# Altium PCB PCB2.PcbDoc (part 1 of 3)
Units mil, origin at the board's own origin, x right, y up, seen from the top; angles counter-clockwise.
Board outline 8661.42 x 5433.07 mil, 2 copper layers (Top Layer, Bottom Layer); 304 components, 0 nets, 1026 pads, 1089 vias.
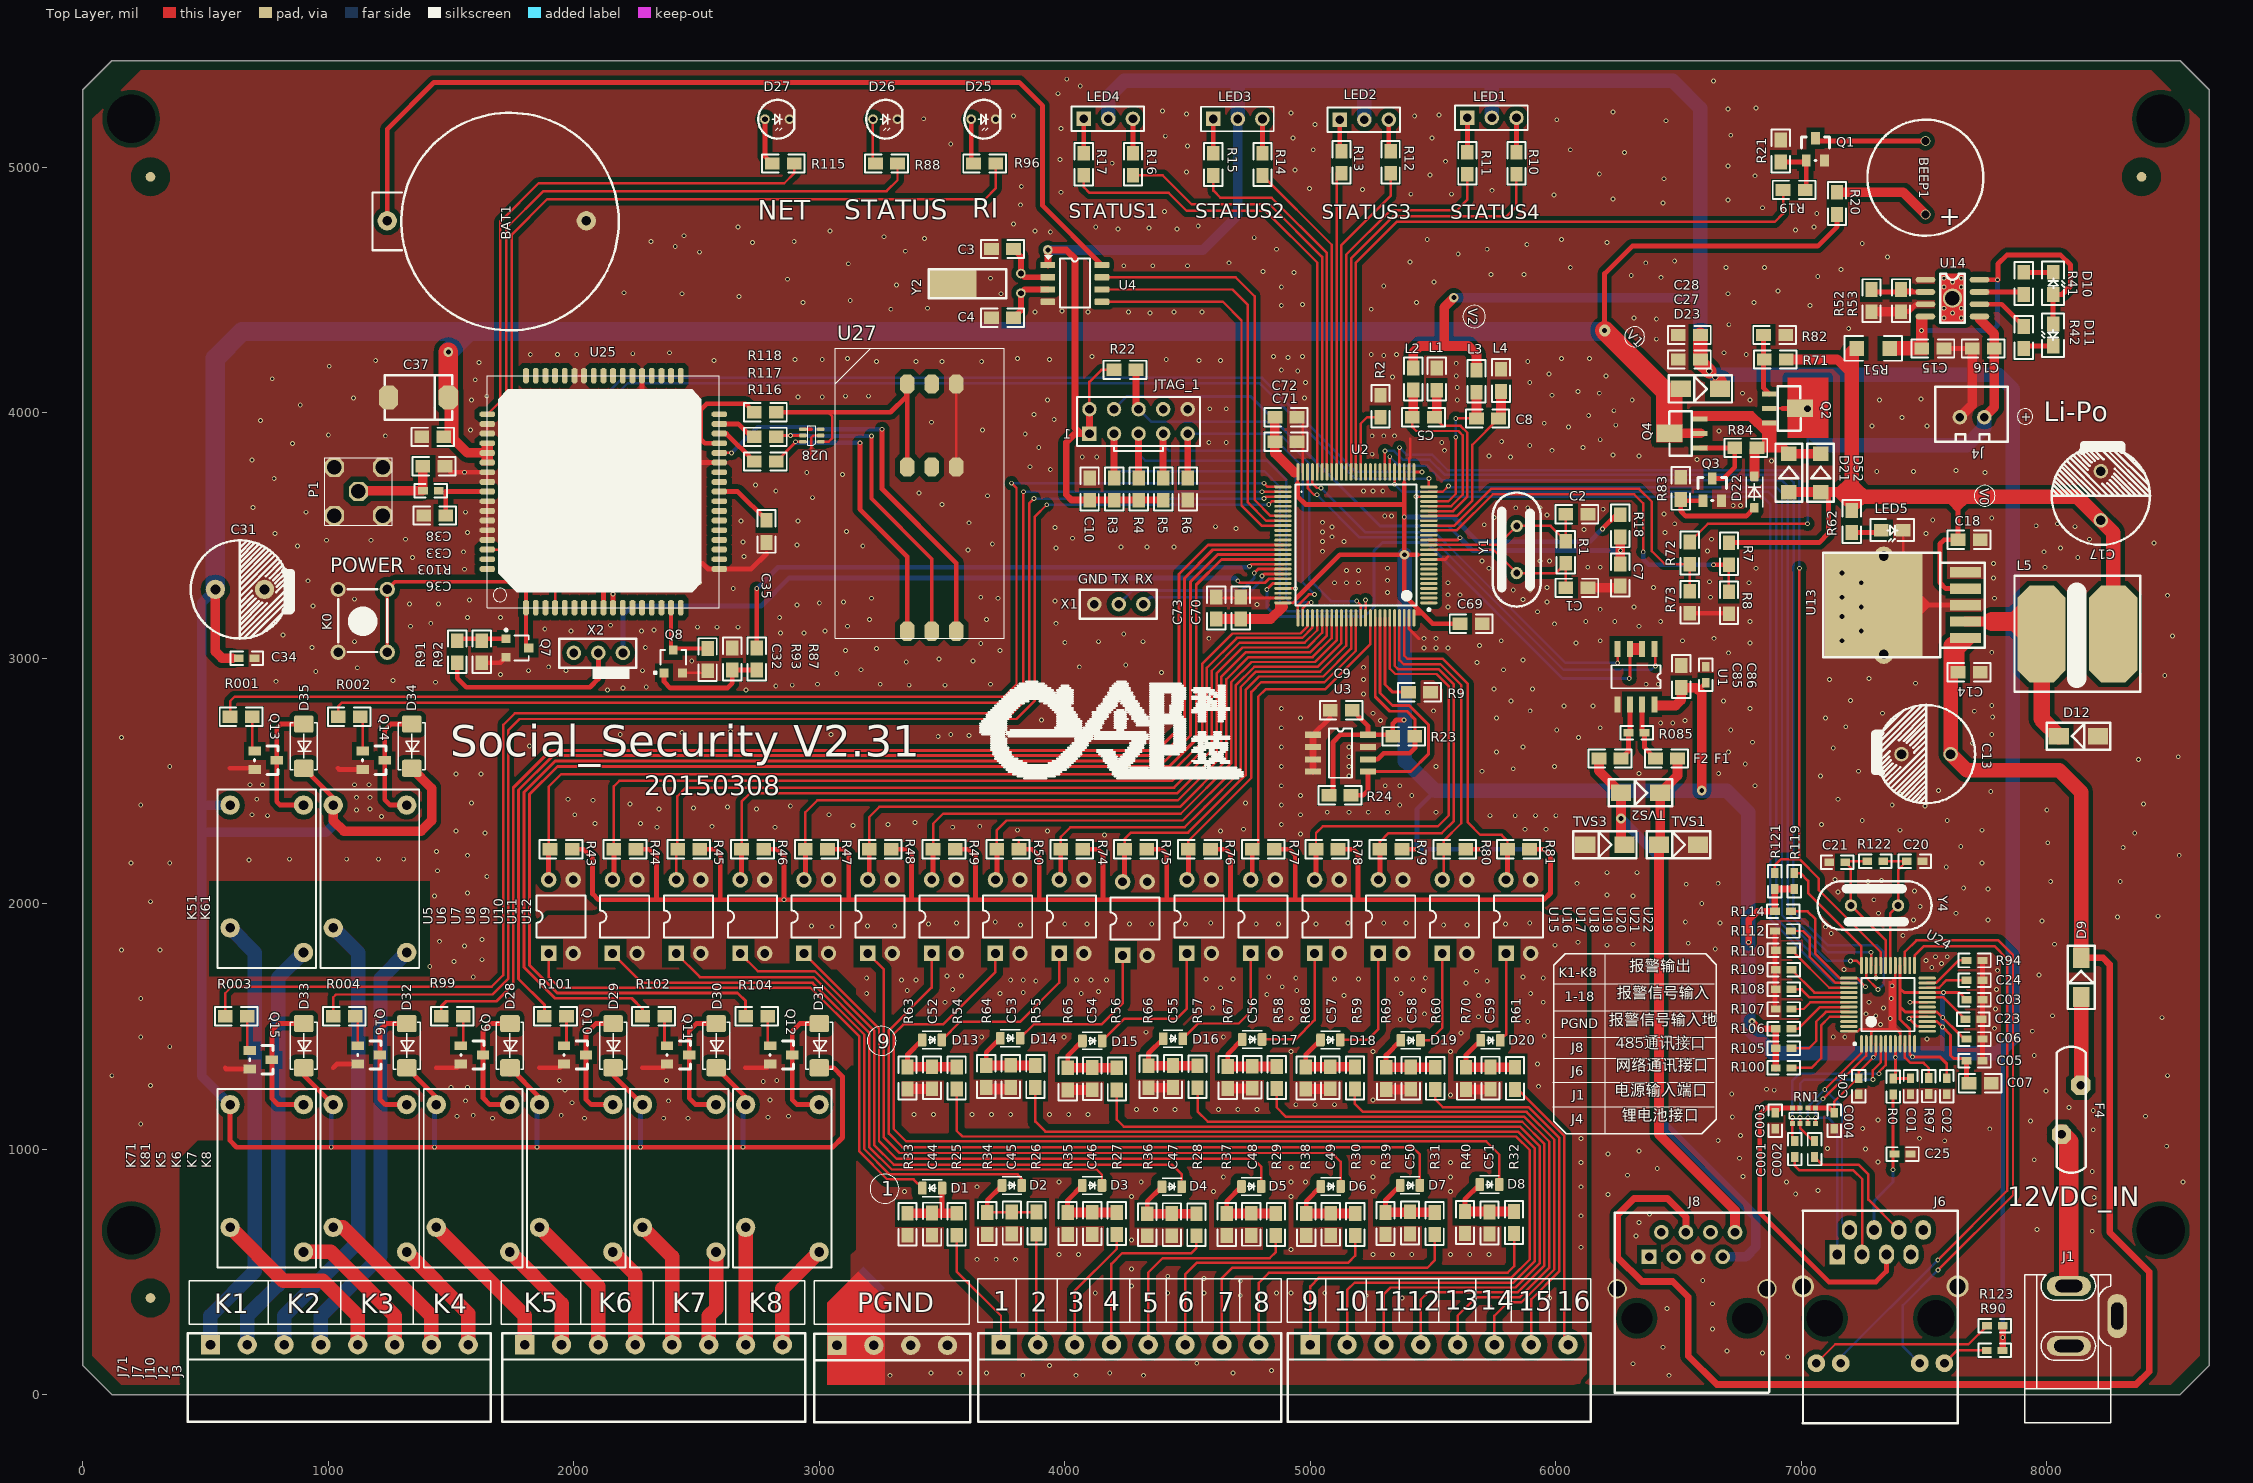
[diagram p0: Top Layer view]
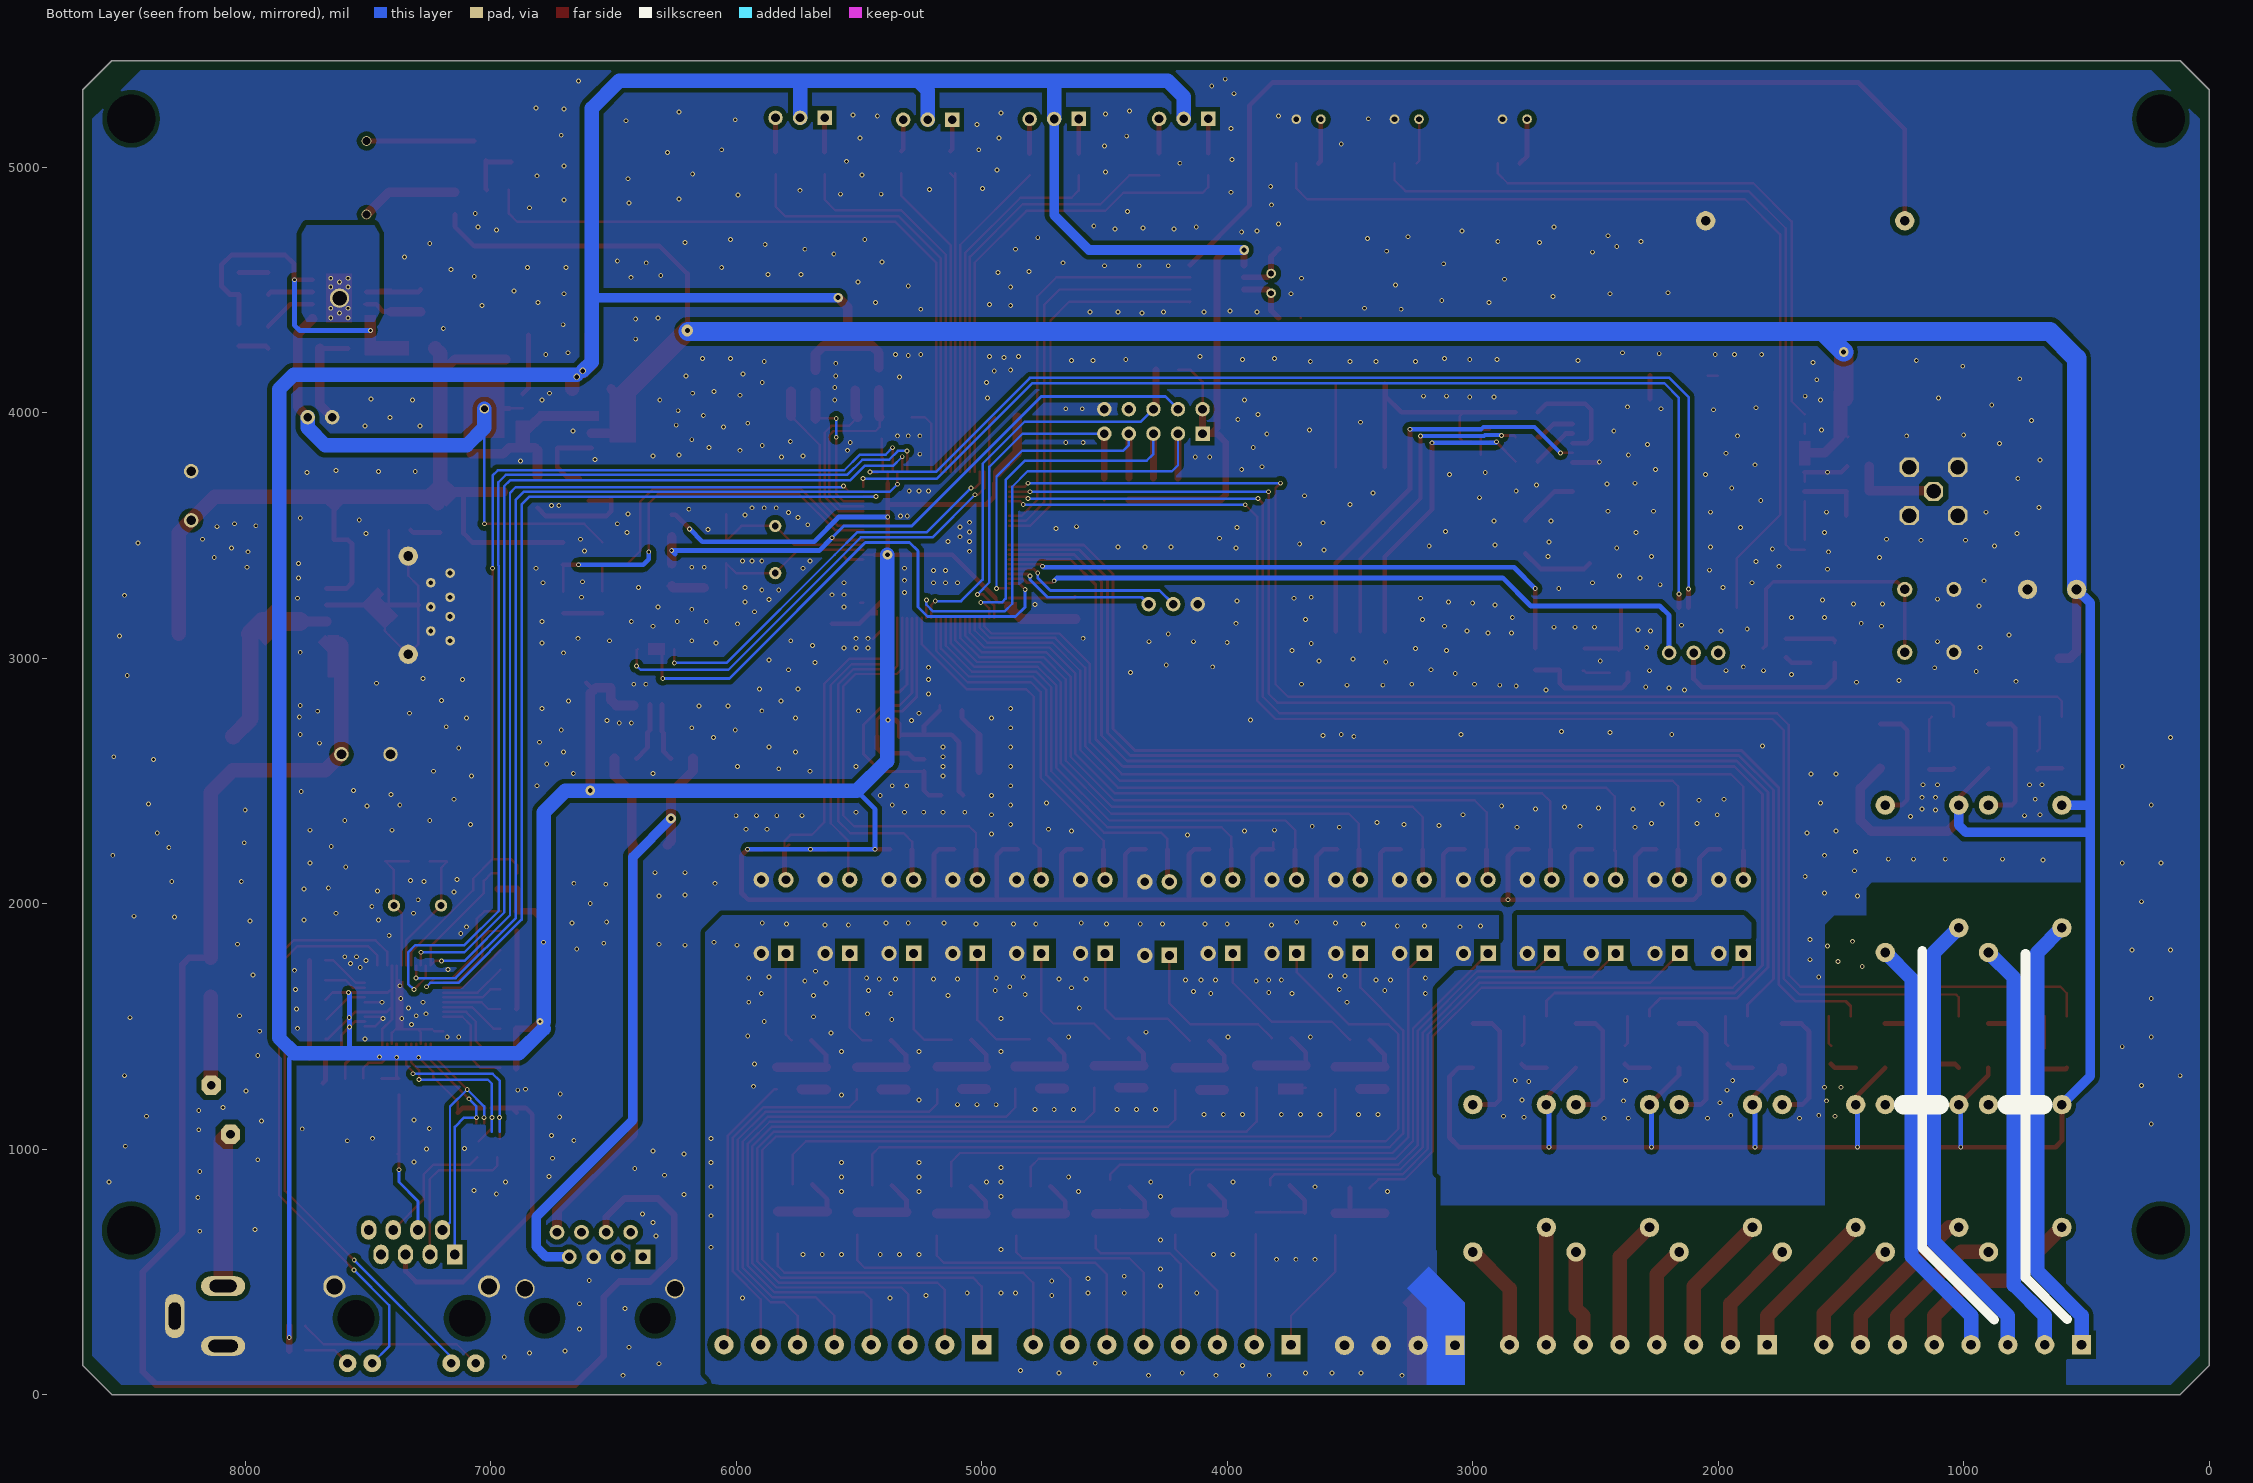
[diagram p1: Bottom Layer view, seen from below]

## Layer stack, top to bottom
Top Solder: solder mask 0.4, Solder Resist, Dk 3.5
Top Layer: signal copper 1.4
Dielectric 1: dielectric 12.6, FR-4, Dk 4.8
Bottom Layer: signal copper 1.4
Bottom Solder: solder mask 0.4, Solder Resist, Dk 3.5

## Board outline
0,118.11 118.11,0 8543.31,0 8661.42,118.11 8661.42,5314.96 8543.31,5433.07 118.11,5433.07 0,5314.96

## Design rules (kind name [scope] priority, off if disabled: settings)
Clearance [All] p1: gap=10
PolygonConnect [All] p1: connectstyle=Relief reliefconductorwidth=10 reliefentries=4 polygonreliefangle="90 Angle" airgapwidth=10
RoutingVias [All] p1: holewidth=28 width=50 viastyle="Through Hole" minholewidth=28 minwidth=50 maxholewidth=28 maxwidth=50
SolderMaskExpansion [All] p1: expansion=4
Width [All] p1: maxlimit=10 minlimit=10 preferedwidth=10
29 further rules are at their usual default settings.

## Components (designator, comment, footprint, x,y, rotation, side; value= is the part's Value field where it differs from the comment)
BAT1 "BATT" CR2032 1240,4781.26 r90 top locked
BEEP1 "BEEP" BEEP-12 7505.75,4807.24 r90 top locked
C001 "6.8nF" 0603 6973.86,967.87 r90 top locked
C1 "18p" 0805 6040.75,3286.26 r0 top locked
C01 "0.1uF" 0603 7444.88,1288.5 r270 top locked
C002 "6.8nF" 0603 7053.86,967.87 r90 top locked
C2 "18p" 0805 6040.75,3586.26 r0 top locked
C02 "0.1uF" 0603 7592.36,1288.5 r270 top locked
C003 "10nF" 0603 6893.86,1147.87 r270 top locked
C3 "18P" 0805 3701.03,4666.46 r0 top locked
C03 "0.1uF" 0603 7673.31,1608.5 r0 top locked
C004 "10nF" 0603 7133.86,1147.87 r270 top locked
C4 "18P" 0805 3701.03,4386.46 r0 top locked
C04 "0.1uF" 0603 7233.86,1288.82 r270 top locked
C5 "104" 0805 5505.75,3981.26 r180 top locked
C05 "0.1uF" 0603 7673.23,1360 r0 top
C06 "0.1uF" 0603 7673.31,1448.5 r0 top locked
C7 "104" 0805 6262.64,3293.78 r90 top locked
C07 "10uF" 0805 7773.31,1268.5 r180 top locked
C8 "104" 0805 5676.93,3976.22 r0 top locked
C9 "104" 0805 5170.79,2787.8 r180 top locked
C10 "104" 0805 4101.18,3643.62 r90 top locked
C13 "470uF/35V" RB5.0-10#1 7607.96,2608.58 r0 top locked
C14 "0.1uF" 0805 7728.43,2942.2 r180 top locked
C15 "10uF/25V" 0805 7490.75,4261.26 r0 top locked
C16 "10uF/25V" 0805 7785.75,4261.26 r180 top locked
C17 "470uF/35V" RB5.0-10#1 8220,3561.26 r270 top locked
C18 "0.1uF" 0805 7728.43,3482.2 r180 top locked
C20 "18p" 0603 7494.25,2172.44 r180 top locked
C21 "18p" 0603 7113.86,2168.82 r0 top locked
C23 "4.7uF" 0603 7733.31,1528.5 r180 top locked
C24 "10nF" 0603 7673.31,1688.5 r0 top locked
C25 "0.1uF" 0603 7380,980 r0 top
C27 "10uF/25V" 0805 6589.06,4216.46 r180 top locked
C28 "0.1uF" 0805 6589.06,4316.46 r180 top locked
C31 "470uF/35V" RB5.0-10#2 540,3280 r180 top locked
C32 "104" 0805 2545.12,2948.82 r90 top locked
C33 "NC" 0805 1385.12,3781.26 r0 top locked
C34 "0.1uF" 0603 700,3000 r180 top locked
C35 "10uF/25V" 0805 2785.12,3561.26 r270 top locked
C36 "NC" 0805 1478.35,3581.26 r180 top locked
C37 "1000uF/6.3V" 7343 1485.12,4061.26 r180 top locked
C38 "0.1uF" 0805 1470.47,3901.26 r180 top locked
C44 "0.1uF" 0805 3459.45,739.45 r270 top locked
C45 "0.1uF" 0805 3784.33,744.09 r270 top locked
C46 "0.1uF" 0805 4111.57,742.44 r270 top locked
C47 "0.1uF" 0805 4435.98,737.56 r270 top locked
C48 "0.1uF" 0805 4759.6,738.5 r270 top locked
C49 "0.1uF" 0805 5083.23,738.5 r270 top locked
C50 "0.1uF" 0805 5406.38,744.41 r270 top locked
C51 "0.1uF" 0805 5729.84,744.09 r270 top locked
C52 "0.1uF" 0805 3459.29,1335.98 r270 top locked
C53 "0.1uF" 0805 3780.08,1341.18 r270 top locked
C54 "0.1uF" 0805 4111.93,1332.05 r270 top locked
C55 "0.1uF" 0805 4440.83,1341.06 r270 top locked
C56 "0.1uF" 0805 4763.38,1337.87 r270 top locked
C57 "0.1uF" 0805 5081.02,1335.98 r270 top locked
C58 "0.1uF" 0805 5408.9,1334.25 r270 top locked
C59 "0.1uF" 0805 5733.93,1334.25 r270 top locked
C69 "0.1uF" 0805 5700,3140 r180 top locked
C70 "0.1uF" 0805 4716.75,3249.26 r270 top locked
C71 "0.1uF" 0805 4945.75,3881.26 r180 top locked
C72 "10uF/25V" 0805 4945.75,3981.26 r180 top locked
C73 "10uF/25V" 0805 4616.75,3249.26 r270 top locked
C85 "10uF" 0805 6510.87,2880 r90 top locked
C86 "0.1uF" 0603 6610.87,2900 r90 top locked
D1 "LED-R" 0805-LED 3460,841.26 r180 top locked
D2 "LED-R" 0805-LED 3784.33,851.97 r0 top locked
D3 "LED-R" 0805-LED 4111.57,851.97 r0 top locked
D4 "LED-R" 0805-LED 4435.98,847.09 r0 top locked
D5 "LED-R" 0805-LED 4759.6,848.03 r0 top locked
D6 "LED-R" 0805-LED 5083.23,848.03 r0 top locked
D7 "LED-R" 0805-LED 5406.38,852.28 r0 top locked
D8 "LED-R" 0805-LED 5729.84,855.91 r0 top locked
D9 "B340" SMB 8140,1620 r90 top
D10 "RED" LED-0805 8025.75,4481.26 r90 top locked
D11 "GREEN" LED-0805 8025.75,4361.26 r270 top locked
D12 "B340" SMB 8208.43,2682.2 r180 top locked
D13 "LED-R" 0805-LED 3459.29,1444.88 r0 top locked
D14 "LED-R" 0805-LED 3777.71,1451.97 r0 top locked
D15 "LED-R" 0805-LED 4111.93,1440.94 r0 top locked
D16 "LED-R" 0805-LED 4440.83,1449.96 r0 top locked
D17 "LED-R" 0805-LED 4763.38,1446.77 r0 top locked
D18 "LED-R" 0805-LED 5081.65,1444.88 r0 top locked
D19 "LED-R" 0805-LED 5408.9,1443.15 r0 top locked
D20 "LED-R" 0805-LED 5733.93,1443.15 r0 top locked
D21 "IN4007" SMA(DO-214AC) 6949.06,3676.46 r90 top
D22 "3V" sod-123 6809.06,3676.46 r90 top locked
D23 "IN4001" SMB 6509.06,4096.46 r0 top locked
D25 "LED" LED-DIP 3628.43,5195.12 r0 top locked
D26 "LED-R" LED-DIP 3228.43,5195.12 r0 top locked
D27 "LED-R" LED-DIP 2788.43,5195.12 r0 top locked
D28 "1N4007" DO-214AC(SMA) 1740,1421.26 r270 top locked
D29 "1N4007" DO-214AC(SMA) 2160,1421.26 r270 top locked
D30 "1N4007" DO-214AC(SMA) 2580,1421.26 r270 top locked
D31 "1N4007" DO-214AC(SMA) 3000,1421.26 r270 top locked
D32 "1N4007" DO-214AC(SMA) 1320,1421.26 r270 top locked
D33 "1N4007" DO-214AC(SMA) 900,1421.26 r270 top locked
D34 "1N4007" DO-214AC(SMA) 1340,2641.26 r270 top locked
D35 "1N4007" DO-214AC(SMA) 900,2641.26 r270 top locked
D52 "IN4007" SMA(DO-214AC) 7078.74,3676.46 r90 top
F1 "FUSE2" 0805 6405.67,2590.87 r0 top locked
F2 "FUSE2" 0805 6265.67,2590.87 r180 top locked
F4 "FUSE2" FUSE-RL60-110 8060,1060 r90 top
J1 "POWER" DC10B 8260,23.15 r90 top locked
J2 "2EDGR-5.08-8P" 3.81-8P-W 3740,203.15 r0 top locked
J3 "2EDGR-5.08-8P" 3.81-8P-W 5000,203.15 r0 top locked
J4 "SIP2A-2.54" 2.54 7545.75,3881.26 r0 top locked
J6 "HR911105A" HR911105A 7146.69,570.87 r270 top locked
J7 "2EDGR-5.08-8P" 3.81-8P-W 1800,203.15 r0 top locked
J8 "RJ45" RJ45-1 6380,561.26 r180 top locked
J10 "2EDGR-5.08-4P" 3.81-4P-W 2980,248.03 r0 top locked
J71 "2EDGR-5.08-8P" 3.81-8P-W 520,203.15 r0 top locked
JTAG_1 "JTAG_10" JTAG_10 4100.4,3914.17 r0 top locked
K0 "KEY_M" KEY_M 1240,3280 r270 top locked
K5 "307" RELAY-SONGCHUAN 1440,1181.26 r270 top locked
K6 "307" RELAY-SONGCHUAN 1860,1181.26 r270 top locked
K7 "307" RELAY-SONGCHUAN 2280,1181.26 r270 top locked
K8 "307" RELAY-SONGCHUAN 2700,1181.26 r270 top locked
K51 "307" RELAY-SONGCHUAN 600,2401.26 r270 top locked
K61 "307" RELAY-SONGCHUAN 1020,2401.26 r270 top locked
K71 "307" RELAY-SONGCHUAN 600,1181.26 r270 top locked
K81 "307" RELAY-SONGCHUAN 1020,1181.26 r270 top locked
L1 "100R" 0805 5515.04,4181.57 r270 top locked
L2 "100R" 0805 5419.14,4182.2 r270 top locked
L3 "100R" 0805 5676.93,4082.83 r90 top locked
L4 "100R" 0805 5776.93,4176.22 r270 top locked
L5 "33uH" INDUCTOR-1212 7868.43,2862.2 r0 top locked
LED1 "Header 3" HDR1X3 5639.77,5200.79 r0 top locked
LED2 "Header 3" HDR1X3 5119.77,5193.23 r0 top locked
LED3 "Header 3" HDR1X3 4604.96,5196.06 r0 top locked
LED4 "Header 3" HDR1X3 4077.4,5196.85 r0 top locked
LED5 "LED-R" LED-0805 7325.75,3521.26 r0 top locked
P1 "COAX-M" ST-TH1 985.12,3541.26 r0 top locked
Q1 "3904" SOT-23 7020,5027.24 r0 top locked
Q2 "2SJ517" SOT-89 6869.06,4076.46 r270 top locked
Q3 "3904" SOT-23 6600,3641.26 r0 top locked
Q4 "2SJ517" SOT-89 6589.06,3856.46 r90 top locked
Q7 "3904" SOT-23R 1765.12,3041.26 r270 top locked
Q8 "3904" SOT-23R 2405.12,2981.26 r0 top locked
Q9 "3904" SOT-23 1540,1421.26 r270 top locked
Q10 "3904" SOT-23 1960,1421.26 r270 top locked
Q11 "3904" SOT-23 2380,1421.26 r270 top locked
Q12 "3904" SOT-23 2800,1421.26 r270 top locked
Q13 "3904" SOT-23 700,2621.26 r270 top locked
Q14 "3904" SOT-23 1140,2621.26 r270 top locked
Q15 "3904" SOT-23 680,1401.26 r270 top locked
Q16 "3904" SOT-23 1120,1421.26 r270 top locked
R0 "10R" 0603 7374.02,1222.44 r90 top
R001 "1K" 0805 600,2761.26 r0 top locked
R1 "1M" 0805 6040.75,3386.26 r90 top locked
R002 "1K" 0805 1040,2761.26 r0 top locked
R2 "10K" 0805 5285.75,3981.26 r90 top locked
R003 "1K" 0805 580,1541.26 r0 top locked
R3 "10K" 0805 4201.18,3643.62 r90 top locked
R004 "1K" 0805 1020,1541.26 r0 top locked
R4 "10K" 0805 4301.18,3643.62 r90 top locked
R5 "10K" 0805 4401.18,3643.62 r90 top locked
R6 "10K" 0805 4501.18,3733.86 r270 top locked
R7 "10K" 0805 6705.24,3380.47 r90 top locked
R8 "10K" 0805 6705.24,3180.47 r90 top locked
R9 "10K" 0805 5400,2861.26 r0 top locked
R10 "270" 0805 5839.77,5060.79 r270 top locked
R11 "270" 0805 5639.77,5060.79 r270 top locked
R12 "270" 0805 5327.17,5064.57 r270 top locked
R13 "270" 0805 5127.17,5064.57 r270 top locked
R14 "270" 0805 4804.96,5056.06 r270 top locked
R15 "270" 0805 4604.96,5056.06 r270 top locked
R16 "270" 0805 4277.4,5056.85 r270 top locked
R17 "270" 0805 4077.4,5056.85 r270 top locked
R18 "10K" 0805 6262.64,3493.78 r90 top locked
R19 "1K" 0805 6925.75,4907.24 r0 top locked
R20 "22" 0805 7145.75,4807.24 r90 top locked
R21 "10K" 0805 6916.14,5110.55 r270 top locked
R22 "10K" 0805 4200.4,4174.17 r0 top locked
R23 "4.7K" 0805 5425.75,2681.26 r180 top locked
R24 "4.7K" 0805 5165.75,2441.26 r180 top locked
R25 "4.7K" 0805 3559.45,648.98 r90 top locked
R26 "4.7K" 0805 3884.33,653.54 r90 top locked
R27 "4.7K" 0805 4211.57,651.97 r90 top locked
R28 "4.7K" 0805 4535.98,647.09 r90 top locked
R29 "4.7K" 0805 4859.6,648.03 r90 top locked
R30 "4.7K" 0805 5183.23,648.03 r90 top locked
R31 "4.7K" 0805 5506.38,652.28 r90 top locked
R32 "4.7K" 0805 5829.84,655.91 r90 top locked
R33 "10K" 0805 3359.45,648.98 r90 top locked
R34 "10K" 0805 3684.33,651.97 r90 top locked
R35 "10K" 0805 4011.57,651.97 r90 top locked
R36 "10K" 0805 4335.98,647.09 r90 top locked
R37 "10K" 0805 4659.6,648.03 r90 top locked
R38 "10K" 0805 4983.23,648.03 r90 top locked
R39 "10K" 0805 5306.38,652.28 r90 top locked
R40 "10K" 0805 5629.84,655.91 r90 top locked
R41 "1K" 0805 7905.75,4481.26 r90 top locked
R42 "1K" 0805 7905.75,4261.26 r90 top locked
R43 "4.7K" 0805 1903.23,2221.57 r0 top locked
R44 "4.7K" 0805 2163.23,2221.57 r0 top locked
R45 "4.7K" 0805 2423.23,2221.57 r0 top locked
R46 "4.7K" 0805 2683.23,2221.57 r0 top locked